# Allegro board Single PMT Data AcquisitionV_3P3.brd (continued)
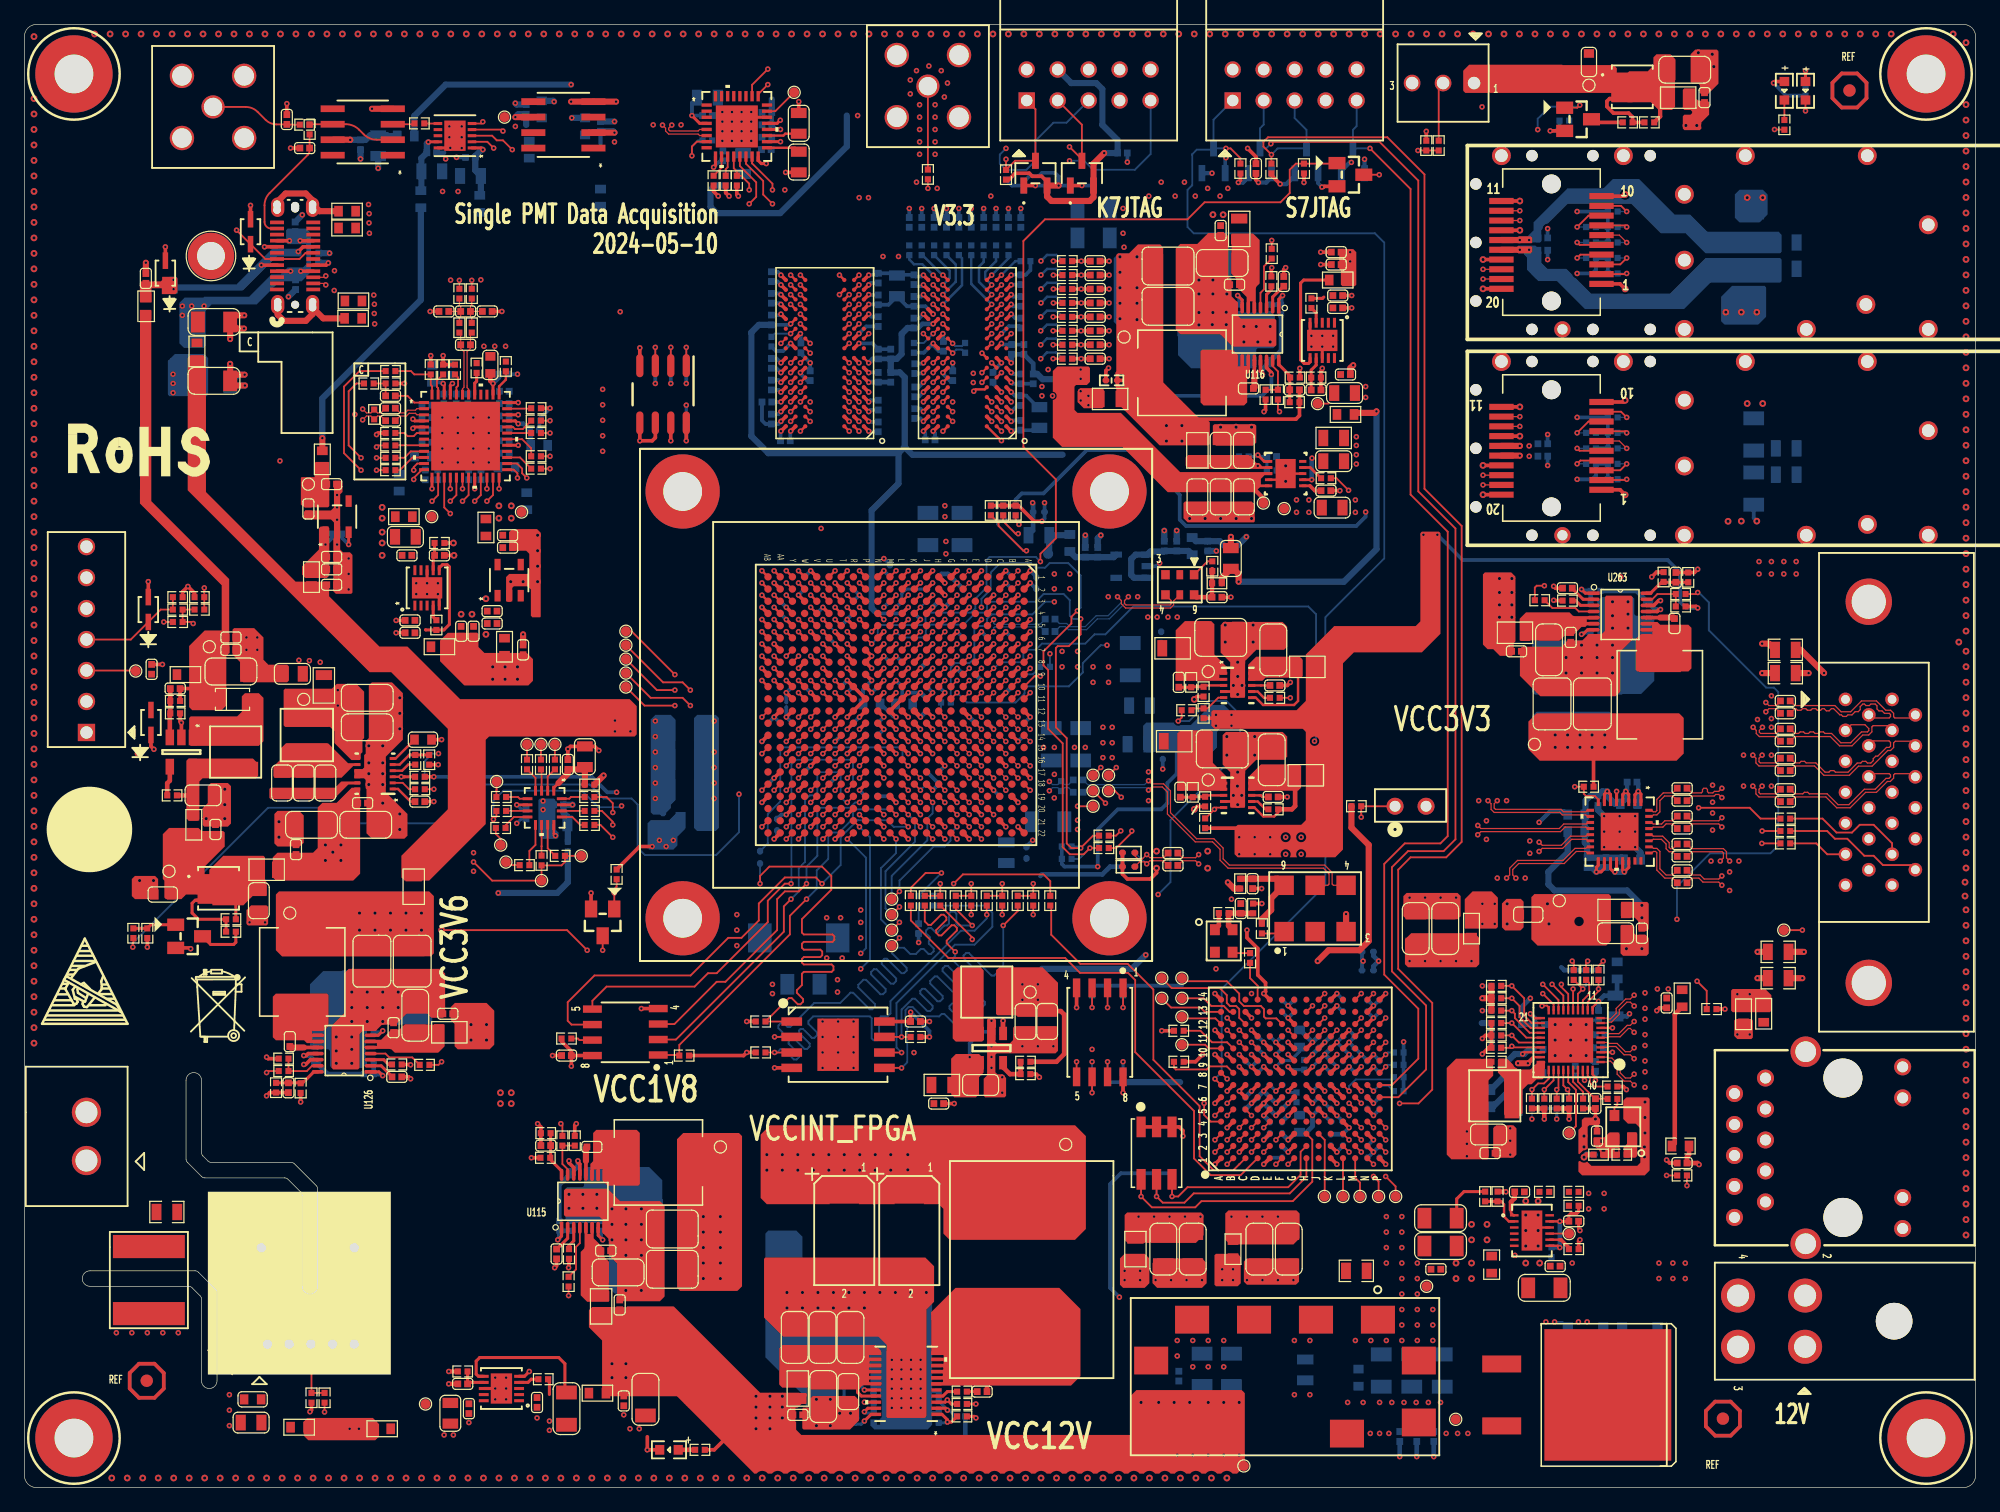
[diagram p0: board, top side]
## Nets (continued)
DDR3_A_DQS0_P: U1.Y3(IO_L21P_T3_DQS_34) U75.F3(LDQS)
DDR3_A_DQS1_N: U1.V2(IO_L15N_T2_DQS_34) U75.B7(UDQS#)
DDR3_A_DQS1_P: U1.U2(IO_L15P_T2_DQS_34) U75.C7(UDQS)
DDR3_A_DQS2_N: U1.N4(IO_L9N_T1_DQS_34) U76.G3(LDQS#)
DDR3_A_DQS2_P: U1.M5(IO_L9P_T1_DQS_34) U76.F3(LDQS)
DDR3_A_DQS3_N: U1.M1(IO_L3N_T0_DQS_34) U76.B7(UDQS#)
DDR3_A_DQS3_P: U1.M2(IO_L3P_T0_DQS_34) U76.C7(UDQS)
DDR3_A_ODT: R484.2 U1.Y6(IO_L7N_T1_33) U75.K1(ODT0) U76.K1(ODT0)
DDR3_A_RAS_B: R482.2 U1.W6(IO_L7P_T1_33) U75.J3(RAS#) U76.J3(RAS#)
DDR3_A_RESET_B: R8.1 U1.W12(IO_L19P_T3_33) U75.T2(RESET#) U76.T2(RESET#)
DDR3_A_S0_B: R479.2 U1.AA5(IO_L1P_T0_33) U75.L2(CS#) U76.L2(CS#)
DDR3_A_WE_B: R480.2 U1.U7(IO_L10P_T1_33) U75.L3(WE#) U76.L3(WE#)
DDR_POWER_GOOD: Q10.1(GATE) R220.2 R459.2 U1.N20(IO_L17P_T2_A14_D30_14)
EEPROM_CS_B: R2152.2 U1.M20(IO_L18P_T2_A12_D28_14) U273.1(C\S\)
EEPROM_SCK: U1.L21(IO_L18N_T2_A11_D27_14) U273.6(SCK)
EEPROM_SI: U1.R18(IO_L19P_T3_A10_D26_14) U273.5(SI)
EEPROM_SO: U1.R19(IO_L19N_T3_A09_D25_VREF_14) U273.2(SO)
EEPROM_WP_B: U1.P19(IO_L20P_T3_A08_D24_14) U273.3(W\P\)
FAN_FG: R1928.2 R1929.2 U1.G13(IO_L8P_T1_16)
FPGA_CCLK_R: R233.2 R507.1 R508.1 U1.G7(CCLK_0)
FPGA_CCLK_SFPGA: R507.2 U88.D1(IO_L11P_T1_SRCC_34)
FPGA_CONFIG_CSI_B: U1.K21(IO_L16P_T2_CSI_B_14) U88.F1(IO_L9N_T1_DQS_34)
FPGA_CONFIG_D0: R503.2 U88.B6(IO_0_34)
FPGA_CONFIG_D0_R: R503.1 R504.1 U1.H18(IO_L1P_T0_D00_MOSI_14)
FPGA_CONFIG_D1: R505.2 U88.D3(IO_L1P_T0_34)
FPGA_CONFIG_D1_R: R505.1 R506.1 U1.H19(IO_L1N_T0_D01_DIN_14)
FPGA_CONFIG_D2: R509.2 U88.C3(IO_L1N_T0_34)
FPGA_CONFIG_D2_R: R509.1 R510.1 U1.G18(IO_L2P_T0_D02_14)
FPGA_CONFIG_D3: R511.2 U88.A4(IO_L2P_T0_34)
FPGA_CONFIG_D3_R: R511.1 R512.1 U1.F19(IO_L2N_T0_D03_14)
FPGA_CONFIG_D4: U1.G20(IO_L4P_T0_D04_14) U88.A3(IO_L2N_T0_34)
FPGA_CONFIG_D5: U1.F20(IO_L4N_T0_D05_14) U88.B3(IO_L3P_T0_DQS_34)
FPGA_CONFIG_D6: U1.L18(IO_L5P_T0_D06_14) U88.A2(IO_L3N_T0_DQS_34)
FPGA_CONFIG_D7: U1.K19(IO_L5N_T0_D07_14) U88.B5(IO_L4P_T0_34)
FPGA_CONFIG_D8: U1.K17(IO_L6N_T0_D08_VREF_14) U88.A5(IO_L4N_T0_34)
FPGA_CONFIG_D9: U1.E21(IO_L7P_T1_D09_14) U88.B2(IO_L5P_T0_34)
FPGA_CONFIG_D10: U1.E22(IO_L7N_T1_D10_14) U88.B1(IO_L5N_T0_34)
FPGA_CONFIG_D11: U1.H22(IO_L8P_T1_D11_14) U88.C5(IO_L6P_T0_34)
FPGA_CONFIG_D12: U1.G22(IO_L8N_T1_D12_14) U88.C4(IO_L6N_T0_VREF_34)
FPGA_CONFIG_D13: U1.F21(IO_L9N_T1_DQS_D13_14) U88.E4(IO_L7P_T1_34)
FPGA_CONFIG_D14: U1.J21(IO_L10P_T1_D14_14) U88.D4(IO_L7N_T1_34)
FPGA_CONFIG_D15: U1.J22(IO_L10N_T1_D15_14) U88.F3(IO_L8P_T1_34)
FPGA_CONFIG_RDWR_B: U1.N22(IO_L15P_T2_DQS_RDWR_B_14) U88.G1(IO_L9P_T1_DQS_34)
FPGA_DAC_CLR_N: U1.B11(IO_L20P_T3_16) U268.5(C\L\R\)
FPGA_DAC_SPI_CS_N: U1.A10(IO_L23N_T3_16) U268.2(C\S\)
FPGA_DAC_SPI_DIN: U1.D11(IO_L12N_T1_MRCC_16) U268.4(DIN)
FPGA_DAC_SPI_SCLK: R2116.2 U268.3(SCLK)
FPGA_DONE_R: Q15.1(GATE) R395.2 R680.1 U1.P6(DONE_0)
FPGA_DONE_SFPGA: R680.2 U88.C1(IO_L11N_T1_SRCC_34)
FPGA_INIT_B_R: R4.2 R676.1 U1.L7(INIT_B_0)
FPGA_INIT_B_SFPGA: R676.2 U88.E2(IO_L10P_T1_34)
FPGA_M0: R337.2 R342.1 U1.H7(M0_0)
FPGA_M1: R338.2 R341.1 U1.H6(M1_0)
FPGA_M2: R339.2 R340.1 U1.J5(M2_0)
FPGA_MASTER_CLOCK_N: C941.1(CAP2) U103.5(OUT-)
FPGA_MASTER_CLOCK_P: C942.1(CAP2) U103.4(OUT+)
FPGA_PLL_CE: R2107.1 U1.E13(IO_L10P_T1_16) U267.7(CE)
FPGA_PLL_CLK_IN: R2102.1 U267.21(XIN)
FPGA_PLL_OD0: U1.E12(IO_L10N_T1_16) U267.13(OD0)
FPGA_PLL_OD1: U1.H10(IO_18_T2_16) U267.14(OD1)
FPGA_PLL_OD2: U1.E11(IO_L12P_T1_MRCC_16) U267.15(OD2)
FPGA_PLL_PR0: U1.B8(IO_L22N_T3_16) U267.25(PR0)
FPGA_PLL_PR1: U1.C9(IO_L19N_T3_VREF_16) U267.26(PR1)
FPGA_PLL_RST_N: R2106.1 U1.F10(IO_L11N_T1_SRCC_16) U267.12(R\S\T\N\)
FPGA_PROG_B_R: R42.2 R678.1 U1.M6(PROGRAM_B_0)
FPGA_PROG_B_SFPGA: R678.2 U88.D2(IO_L10N_T1_34)
FPGA_RESET: R41.1 U1.E19(IO_L17N_T2_A25_15)
FPGA_SFP1_IIC_SCL: P3.5(SCL) R516.2 U1.G8(IO_L17P_T2_16)
FPGA_SFP1_IIC_SDA: P3.4(SDA) R517.2 U1.E8(IO_24_T3_16)
FPGA_SFP1_LOS: P3.8(LOS) R14.2 U1.H9(IO_L16P_T2_16)
FPGA_SFP1_MOD_DETECT: P3.6(MOD_ABS) R13.2 U1.C8(IO_L22P_T3_16)
FPGA_SFP1_RS0: P3.7(RS0) R392.2
FPGA_SFP1_RS1: P3.9(RS1) R391.2
FPGA_SFP1_RX_N: P3.12(RD_N) U1.G3(MGTXRXN0_115)
FPGA_SFP1_RX_P: P3.13(RD_P) U1.G4(MGTXRXP0_115)
FPGA_SFP1_TX_DISABLE: P3.3(TX_DISABLE) R12.2 U1.A8(IO_L21N_T3_DQS_16)
FPGA_SFP1_TX_FAULT: P3.2(TX_FAULT) R11.2 U1.G11(IO_L13P_T2_MRCC_16)
FPGA_SFP1_TX_N: P3.19(TD_N) U1.F1(MGTXTXN0_115)
FPGA_SFP1_TX_P: P3.18(TD_P) U1.F2(MGTXTXP0_115)
FPGA_SFP1_VCCR: C23.1(CAP2) C114.1(CAP2) L6.2 P3.15(VCCR)
FPGA_SFP1_VCCT: C22.1(CAP2) C115.1(CAP2) L7.2 P3.16(VCCT)
FPGA_SFP2_IIC_SCL: P4.5(SCL) R2144.2 U1.A9(IO_L21P_T3_DQS_16)
FPGA_SFP2_IIC_SDA: P4.4(SDA) R2145.2 U1.E9(IO_L15N_T2_DQS_16)
FPGA_SFP2_LOS: P4.8(LOS) R2151.2 U1.C10(IO_L7N_T1_16)
FPGA_SFP2_MOD_DETECT: P4.6(MOD_ABS) R2148.2 U1.F13(IO_L8N_T1_16)
FPGA_SFP2_RS0: P4.7(RS0) R2149.2
FPGA_SFP2_RS1: P4.9(RS1) R2150.2
FPGA_SFP2_RX_N: P4.12(RD_N) U1.C3(MGTXRXN2_115)
FPGA_SFP2_RX_P: P4.13(RD_P) U1.C4(MGTXRXP2_115)
FPGA_SFP2_TX_DISABLE: P4.3(TX_DISABLE) R2147.2 U1.A11(IO_L23P_T3_16)
FPGA_SFP2_TX_FAULT: P4.2(TX_FAULT) R2146.2 U1.D9(IO_L19P_T3_16)
FPGA_SFP2_TX_N: P4.19(TD_N) U1.B1(MGTXTXN2_115)
FPGA_SFP2_TX_P: P4.18(TD_P) U1.B2(MGTXTXP2_115)
FPGA_SFP2_VCCR: C2490.1(CAP2) C2491.1(CAP2) L290.2 P4.15(VCCR)
FPGA_SFP2_VCCT: C2492.1(CAP2) C2493.1(CAP2) L291.2 P4.16(VCCT)
FPGA_TCK: D2.3 J1.1 R456.2 U1.K7(TCK_0)
FPGA_TDI: D5.3 J1.9 U1.K6(TDI_0)
FPGA_TDO: D3.3 J1.3 U1.J6(TDO_0)
FPGA_TIMING_LVDS_EN: R2135.2 U1.F14(IO_6_T0_VREF_16) U271.8(EN)
FPGA_TMS: D4.3 J1.5 R455.2 U1.L6(TMS_0)
FPGA_TO_SFPGA_RESERVE0: U1.Y14(IO_L22N_T3_13) U88.M3(IO_L19P_T3_34)
FPGA_TO_SFPGA_RESERVE1: U1.W14(IO_L22P_T3_13) U88.M2(IO_L19N_T3_VREF_34)
FPGA_TO_SFPGA_RESERVE2: U1.W15(IO_L23N_T3_13) U88.P2(IO_L20P_T3_34)
FPGA_TO_SFPGA_RESERVE3: U1.U15(IO_L24N_T3_13) U88.N1(IO_L20N_T3_34)
FPGA_TO_SFPGA_RESERVE4: U1.W16(IO_L21P_T3_DQS_13) U88.P4(IO_L21P_T3_DQS_34)
FPGA_TO_SFPGA_RESERVE5: U1.V15(IO_L23P_T3_13) U88.P3(IO_L21N_T3_DQS_34)
FPGA_TO_SFPGA_RESERVE6: U1.T15(IO_L24P_T3_13) U88.L3(IO_L22P_T3_34)
FPGA_TO_SFPGA_RESERVE7: U1.T16(IO_L20N_T3_13) U88.L2(IO_L22N_T3_34)
FPGA_TO_SFPGA_RESERVE8: U1.Y16(IO_L21N_T3_DQS_13) U88.M5(IO_L23P_T3_34)
FPGA_TO_SFPGA_RESERVE9: U1.R16(IO_L20P_T3_13) U88.M4(IO_L23N_T3_34)
FPGA_VCC12V_BST_EN: R2098.2 U1.F8(IO_L17N_T2_16)
HV_CTRL: R936.2 R2034.2 R2119.1 R2132.2 R2169.2 TP79.1 TP143.1
HV_CTRL_OUT: CR1.1 J2.A6(DP1) J2.B6(DP2) R2034.1 R2036.1
HV_CTRL_RSV: CR4.1 J60.4(HV CTRL) R2169.1 R2170.1
INPUT_GND: C1134.2(CAP1) C1136.1(CAP2) C1139.2(CAP1) C1140.2(CAP1) C1142.2(CAP1) C1144.2(CAP1) C1145.1(CAP2) C1146.1(CAP2) C1147.2(CAP1) C1148.1(CAP2) C1149.2(CAP1) C1150.2(CAP1) C1151.2(CAP1) C1152.1(CAP2) J18.2(GND#2) J18.4(GND#4) R1036.2 R1063.2 R2122.1 TP38.1 U111.1(BUS-1) U111.10(BUS-2) U112.10(GND) U112.13(HOTGND)
MGTAVCC: C144.1(CAP2) C426.1(CAP2) C427.1(CAP2) L100.2 U1.A6(MGTAVCC#A6) U1.C6(MGTAVCC#C6) U1.E6(MGTAVCC#E6) U1.G6(MGTAVCC#G6)
MGTAVCC_PG: R1100.2 R1115.1 U118.5(PG)
MGTAVTT: C146.1(CAP2) C430.1(CAP2) C431.1(CAP2) L102.2 R165.2 U1.A2(MGTAVTT#A2) U1.C2(MGTAVTT#C2) U1.E2(MGTAVTT#E2) U1.G2(MGTAVTT#G2) U1.H1(MGTAVTTRCAL_115)
MGTAVTT_PG: R1116.2 U1.N17(IO_L23N_T3_A02_D18_14)
MGTVCCAUX: L287.2 L289.2 TP146.1
NC_GNDADC_R: R791.1 U88.F7(NC/GNDADC_0)
NC_VREFN_R: R790.1 U88.G7(NC/VREFN_0)
NC_VREFP_R: R789.1 U88.H8(NC/VREFP_0)
PLL_OS0: R2104.2 U267.11(OS0)
PLL_OS1: R2105.1 U267.10(OS1)
PMT_CHANNEL_SELECT_1: J78.6 R2156.2 U88.H3(IO_L13N_T2_MRCC_34)
PMT_CHANNEL_SELECT_2: J78.5 R2155.2 U88.H1(IO_L14N_T2_SRCC_34)
PMT_CHANNEL_SELECT_3: J78.4 R2154.2 U88.H2(IO_L14P_T2_SRCC_34)
PMT_HV_OUT: C1337.2(CAP1) J76.1 R916.2
QSPI_CLK: R508.2 U7.6(CLK)
QSPI_CS_B: R496.2 R502.2 U7.1(C\S\)
QSPI_CS_B_R: R502.1 U1.L16(IO_L6P_T0_FCS_B_14)
QSPI_MISO0: R504.2 U7.5(DI/IO0)
QSPI_MISO1: R506.2 U7.2(DO/IO1)
QSPI_MISO2: R497.2 R510.2 U7.3(\W\P\/IO2)
QSPI_MISO3: R498.2 R512.2 U7.7(\H\O\L\D\/IO3)
RF_ENABLE: R2124.2 U1.H13(IO_L9N_T1_DQS_16)
RF_FAULT: R2125.2 U1.H14(IO_L9P_T1_DQS_16)
RF_FPS_TRIGGER_N: U1.C15(IO_L7N_T1_AD10N_15) U271.12(IN1-)
RF_FPS_TRIGGER_N_C: C2462.2(CAP1) J75.8(SERTFG-)
RF_FPS_TRIGGER_P: U1.C14(IO_L7P_T1_AD10P_15) U271.11(IN1+)
RF_FPS_TRIGGER_P_C: C2461.2(CAP1) J75.21(SERTFG+)
RF_MOD_IN_FIXED_N: U1.A16(IO_L8N_T1_AD3N_15) U271.14(IN2-)
RF_MOD_IN_FIXED_N_C: C2464.2(CAP1) J75.9(CC1-)
RF_MOD_IN_FIXED_P: U1.B16(IO_L8P_T1_AD3P_15) U271.13(IN2+)
RF_MOD_IN_FIXED_P_C: C2463.2(CAP1) J75.22(CC1+)
RF_MOD_IN_VARIABLE_N: U1.D14(IO_L6N_T0_VREF_15) U271.16(IN3-)
RF_MOD_IN_VARIABLE_N_C: C2466.2(CAP1) J75.23(CC2-)
RF_MOD_IN_VARIABLE_P: U1.E14(IO_L6P_T0_15) U271.15(IN3+)
RF_MOD_IN_VARIABLE_P_C: C2465.2(CAP1) J75.10(CC2+)
RF_SYNC_N: C2456.2(CAP1) U1.B12(IO_L2N_T0_AD8N_15)
RF_SYNC_P: C2455.2(CAP1) U1.C12(IO_L2P_T0_AD8P_15)
S_FPGA_CLK: R669.2 U88.D14(IO_L11P_T1_SRCC_14)
S_FPGA_QSPI_CLK: R670.2 U88.A8(CCLK_0)
S_FPGA_QSPI_CS_B: R658.2 U88.C11(IO_L6P_T0_FCS_B_14) U89.1(C\S\)
S_FPGA_QSPI_MISO0: U88.B11(IO_L1P_T0_D00_MOSI_14) U89.5(DI/IO0)
S_FPGA_QSPI_MISO1: U88.B12(IO_L1N_T0_D01_DIN_14) U89.2(DO/IO1)
S_FPGA_QSPI_MISO2: R659.2 U88.D10(IO_L2P_T0_D02_14) U89.3(\W\P\/IO2)
S_FPGA_QSPI_MISO3: R660.2 U88.C10(IO_L2N_T0_D03_14) U89.7(\H\O\L\D\/IO3)
S_FPGA_TCK: D9.3 J56.1 R668.2 U88.A7(TCK_0)
S_FPGA_TDI: D6.3 J56.9 U88.P7(TDI_0)
S_FPGA_TDO: D8.3 J56.3 U88.P6(TDO_0)
S_FPGA_TMS: D7.3 J56.5 R667.2 U88.M6(TMS_0)
S_XADC_AGND: C815.2(CAP1) L41.2 R789.2 R790.2 R791.2
SFP_MGT_REFCLK_C_N: C989.1(CAP2) U1.D5(MGTREFCLK0N_115)
SFP_MGT_REFCLK_C_P: C990.1(CAP2) U1.D6(MGTREFCLK0P_115)
SFP_MGT_REFCLK_N: C989.2(CAP1) U270.5(CLKN)
SFP_MGT_REFCLK_P: C990.2(CAP1) U270.4(CLKP)
SFPGA_25M_OSC_ETH: C865.1(CAP2) R858.2 U93.37(XTAL_OUT/EXT_CLK)
SFPGA_ETH_INTB: R852.2 U88.P10(IO_L24P_T3_D17_14)
SFPGA_ETH_LED0: R867.2 R875.1 U93.32(LED_0/CFG_EXT)
SFPGA_ETH_LED1: R835.1 R866.2 R874.1 U93.33(LED_1/CFG_LDO0)
SFPGA_ETH_LED2: R834.1 R865.2 R873.1 U93.34(LED_2/CFG_LDO1)
SFPGA_ETH_RESET_B: R853.2 U88.N11(IO_L23N_T3_D18_14)
SFPGA_ETH_TD_M_A: J6.3 U93.2(MDIN0)
SFPGA_ETH_TD_M_B: J6.7 U93.5(MDIN1)
SFPGA_ETH_TD_M_C: J6.6 U93.7(MDIN2)
SFPGA_ETH_TD_M_D: J6.9 U93.10(MDIN3)
SFPGA_ETH_TD_P_A: J6.2 U93.1(MDIP0)
SFPGA_ETH_TD_P_B: J6.4 U93.4(MDIP1)
SFPGA_ETH_TD_P_C: J6.5 U93.6(MDIP2)
SFPGA_ETH_TD_P_D: J6.8 U93.9(MDIP3)
SFPGA_RGMII_MDC: R854.2 U88.H13(IO_L14P_T2_SRCC_14)
SFPGA_RGMII_MDIO: R855.2 U88.N10(IO_L23P_T3_D19_14)
SFPGA_RGMII_RX_CLK: R860.2 R868.1 U88.H11(IO_L13P_T2_MRCC_14) U93.27(RX_CLK/PHYAD1)
SFPGA_RGMII_RX_CTL: R861.2 R869.1 U88.P12(IO_L22P_T3_D21_14) U93.26(RX_CTRL/PHYAD2)
SFPGA_RGMII_RXD0: R864.2 R872.1 U88.M11(IO_L20P_T3_D24_14) U93.25(RX_D0/RXDLY)
SFPGA_RGMII_RXD1: R863.2 R871.1 U88.M12(IO_L20N_T3_D23_14) U93.24(RX_D1/TXDLY)
SFPGA_RGMII_RXD2: R862.2 R870.1 U88.N14(IO_L21P_T3_DQS_14) U93.23(RX_D2/PLLOFF)
SFPGA_RGMII_RXD3: R856.1 R857.2 U88.M14(IO_L21N_T3_DQS_D22_14) U93.22(RX_D3/PHYAD0)
SFPGA_RGMII_TX_CLK: U88.G11(IO_L12P_T1_MRCC_14) U93.20(GTX_CLK)
SFPGA_RGMII_TX_CTL: U88.K11(IO_L19P_T3_D26_14) U93.19(TX_CTRL)
SFPGA_RGMII_TXD0: U88.J11(IO_L17P_T2_D30_14) U93.18(TD_D0)
SFPGA_RGMII_TXD1: U88.J12(IO_L17N_T2_D29_14) U93.17(TD_D1)
SFPGA_RGMII_TXD2: U88.J13(IO_L18P_T2_D28_14) U93.16(TD_D2)
SFPGA_RGMII_TXD3: U88.J14(IO_L18N_T2_D27_14) U93.15(TD_D3)
SYS_CLK_CON_N: C939.1(CAP2) J75.5(XCLK-)
SYS_CLK_CON_P: C940.1(CAP2) J75.18(XCLK+)
TIMING_SPI_CLK_N: U1.A14(IO_L4N_T0_AD9N_15) U271.10(IN0-)
TIMING_SPI_CLK_N_C: C2460.2(CAP1) J75.20(SERTC-)
TIMING_SPI_CLK_P: U1.A13(IO_L4P_T0_AD9P_15) U271.9(IN0+)
TIMING_SPI_CLK_P_C: C2459.2(CAP1) J75.7(SERTC+)
TIMING_SPI_CSN_N: C2454.2(CAP1) U1.F16(IO_L3N_T0_DQS_AD1N_15)
TIMING_SPI_CSN_P: C2453.2(CAP1) U1.F15(IO_L3P_T0_DQS_AD1P_15)
TIMING_SPI_MISO_N: C2458.2(CAP1) U1.B13(IO_L5N_T0_AD2N_15)
TIMING_SPI_MISO_P: C2457.2(CAP1) U1.C13(IO_L5P_T0_AD2P_15)
TIMING_SPI_MOSI_N: C2452.2(CAP1) U1.G16(IO_L1N_T0_AD0N_15)
TIMING_SPI_MOSI_P: C2451.2(CAP1) U1.G15(IO_L1P_T0_AD0P_15)
TIMING_SYNC_REFCLK_N: C939.2(CAP1) R2158.2 R2160.1 U1.E18(IO_L13N_T2_MRCC_15)
TIMING_SYNC_REFCLK_P: C940.2(CAP1) R2157.2 R2159.1 U1.E17(IO_L13P_T2_MRCC_15)
TMP75_ALERT: R501.2 U1.P21(IO_L22P_T3_A05_D21_14) U79.3(ALERT)
TMP75_IIC_SCL: R500.2 U1.P17(IO_L21N_T3_DQS_A06_D22_14) U79.2(SCL)
TMP75_IIC_SDA: R499.2 U1.R17(IO_L21P_T3_DQS_14) U79.1(SDA)
USER_SMA_CLOCK: R993.2 U1.L19(IO_L12P_T1_MRCC_14)
VCOM: C905.1(CAP2) U102.46(VCM)
VREF: C906.2(CAP1) C908.1(CAP2) U102.38(VREF)
VREG: C1158.1(CAP2) R1041.1 R1050.1 U113.18(VREG)
VRN_33: R2140.2 U1.T6(IO_0_VRN_33)
VRN_34: R2142.2 U1.K4(IO_0_VRN_34)
VRP_33: R2141.1 U1.T14(IO_25_VRP_33)
VRP_34: R2143.1 U1.V5(IO_25_VRP_34)
VTTDDR: C13.1(CAP2) C14.1(CAP2) C15.1(CAP2) C342.1(CAP2) C343.1(CAP2) C344.1(CAP2) C521.1(CAP2) C522.1(CAP2) C523.1(CAP2) C524.1(CAP2) C525.1(CAP2) C526.1(CAP2) C527.1(CAP2) C546.1(CAP2) C547.1(CAP2) C548.1(CAP2) C549.1(CAP2) C550.1(CAP2) C551.1(CAP2) C552.1(CAP2) C553.1(CAP2) C554.1(CAP2) C555.1(CAP2) R460.1 R461.1 R462.1 R463.1 R464.1 R465.1 R466.1 R467.1 R468.1 R469.1 R470.1 R471.1 R472.1 R473.1 R474.1 R475.1 R476.1 R477.1 R478.1 R479.1 R480.1 R481.1 R482.1 R483.1 R484.1 TP48.1 U23.3(VO) U23.5(VOSNS)
VTTVREF: C97.1(CAP2) C187.2(CAP1) C462.1(CAP2) C463.1(CAP2) C491.1(CAP2) C492.1(CAP2) C506.1(CAP2) C507.1(CAP2) C520.1(CAP2) C544.2(CAP1) C545.1(CAP2) C563.1(CAP2) C573.1(CAP2) C640.1(CAP2) TP49.1 U1.L4(IO_L6N_T0_VREF_34) U1.Y4(IO_L19N_T3_VREF_34) U1.Y11(IO_L6N_T0_VREF_33) U1.Y12(IO_L19N_T3_VREF_33) U23.6(REFOUT) U75.H1(VREFDQ) U75.M8(VREFCA) U76.H1(VREFDQ) U76.M8(VREFCA)
XADC_AGND: C2.2(CAP1) L3.2 U1.K11(GNDADC_0) U1.L11(VREFN_0) U1.M12(VREFP_0)
XADC_VCC: C2.1(CAP2) L5.1 U1.K12(VCCADC_0)
$7N578: C217.1(CAP2) R233.1
$7N830: Q15.3(DRAIN) R396.1
$7N832: DS10.2 R396.2
$45N24: C271.1(CAP2) R219.1 R221.2 U23.1(REFIN)
$45N300: DS18.2 Q10.3(DRAIN)
$45N301: DS18.1 R87.2
N290800: J31.1(SIG) R993.1
N319534: R458.1 U75.L8(ZQ)
N335210: R490.1 U76.L8(ZQ)
N929679: R670.1 U89.6(CLK)
N932083: R669.1 U90.3(OUT)
N932121: C800.1(CAP2) L55.1 R986.2 U90.4(VCC)
N932133: R986.1 U90.1(OE)
N932396: R665.1 U88.G8(NC/VP_0)
N932403: R666.1 U88.H7(NC/VN_0)
N1107900: C815.1(CAP2) L40.1 U88.F8(NC/VCCADC_0)
N1108562: R784.2 U88.P8(INIT_B_0)
N1108569: R785.2 U88.L7(PROGRAM_B_0)
N1108576: R786.1 U88.N7(CFGBVS_0)
N1108697: R787.2 U88.P9(DONE_0)
N1108945: R788.1 U88.B8(NC/VCCBATT_0)
N1143708: R858.1 U94.3(OUT)
N1143734: C839.1(CAP2) L45.1 R848.2 U94.4(VCC)
N1143746: R848.1 U94.1(OE)
N1146233: C838.2(CAP1) J6.1 R833.1
N1263443: C2011.1(CAP2) C2960.2(CAP1) L163.1 R965.2
N1263535: C2011.2(CAP1) C2961.2(CAP1) L164.1 R966.2
N16645850: R2122.2 R2123.2 U111.2(SHIELD1) U111.3(SHIELD2)
N16650422: Q1.D R2130.2 U112.5(SNS)
N16650464: C1146.2(CAP1) R1038.2 R1039.2 U112.7(SHDN) U112.11(AOUT)
N16650476: R1036.1 R1037.2 R1039.1 U112.12(IN+)
N16650588: R1033.2 U112.8(FLT)
N16650604: R1062.2 U112.4(GATE)
N16650648: Q1.G R1062.1
N16650778: C1151.1(CAP2) U112.1(TMR)
N16650844: R1040.2 R1063.1 U112.2(FB)
N16650852: TP40.1 U112.9(EN)
N16651124: R1034.2 R2130.1
N16671344: C1153.1(CAP2) C1154.1(CAP2) C1155.1(CAP2) C1156.1(CAP2) C1157.1(CAP2) L89.2 U113.12(VIN) U113.13(VIN_1) U113.14(VIN_2) U113.15(VIN_3) U113.16(VIN_4) U113.17(VIN_5) U113.19(VDD)
N16672317: R1044.2 U113.20(MODE)
N16672324: R1043.2 U113.21(TRIP)
N16672331: R1042.2 R1050.2 U113.22(RF)
N16672704: C1159.1(CAP2) L85.2 U113.6(LL) U113.7(LL_1) U113.8(LL_2) U113.9(LL_3) U113.10(LL_4) U113.11(LL_5)
N16673248: R1046.2 R1047.1 U113.1(VFB)
N16673267: R1049.1 U113.4(VBST)
N16673329: C1159.2(CAP1) R1049.2
N16673629: R1045.2 R1048.1 U113.2(EN)
N16716267: C1188.2(CAP1) C1197.1(CAP2) L93.2 U116.5(VIN1) U116.6(VIN2)
N16716359: R1067.2 U116.4(EN/UV)
N16716559: C1189.1(CAP2) R1071.2 U116.13(INTVCC)
N16716571: C1190.1(CAP2) U116.2(TR/SS)
N16716663: R1070.2 R1071.1 U116.1(SYNC)
N16716703: C1191.1(CAP2) L94.1 U116.9(SW1) U116.10(SW2) U116.11(SW3)
N16716707: C1191.2(CAP1) U116.12(BST)
N16716803: C1192.1(CAP2) R1072.1 R1073.1 U116.16(FB)
N16717075: R1068.1 U116.3(RT)
N16718397: R1074.2 R1075.2 U116.15(PG)
N16720636: C340.1(CAP2) C341.1(CAP2) L95.2 R221.1 U23.2(VLDOIN)
N16720676: C224.1(CAP2) L96.1 U23.7(EN) U23.10(VIN)
N16721374: R459.1 U23.9(PGOOD)
N17066271: R657.1 U88.B10(IO_L3P_T0_DQS_PUDC_B_14)
N17765267: R1069.2 U116.7(NC)
N21090058: C930.2(CAP1) L54.1 R984.2 U103.6(VDD)
N21090105: R984.1 U103.1(VC/OE/S\T\)
N21330124: J61.2(P2) R1929.1
N21585791: C2087.1(CAP2) U236.6(CAP)
N21585799: C2088.2(CAP1) U236.1(VAUX)
N21585846: C2089.1(CAP2) C2090.1(CAP2) C2091.1(CAP2) U236.11(CP)
N21585860: C2089.2(CAP1) C2090.2(CAP1) C2091.2(CAP1) L228.1 U236.8(SW)
N21585885: C2092.1(CAP2) C2093.1(CAP2) C2094.1(CAP2) L228.2 L263.1 TP83.1 U236.7(VOUT)
N21585988: R1882.2 R1883.1 U236.5(FB)
N21585992: R1882.1 U236.4(VREF)
N21586050: R1884.2 U236.2(EN)
N21586103: R1885.2 R1886.2 U236.3(PG)
N21623241: R971.1 U102.37(SENSE)
N21623247: R981.1 U102.47(RBIAS)
N21623273: R972.1 U102.27(OR-)
N21623348: R980.2 U102.41(LVDS_RS)
N21623350: R968.2 U102.44(LVDS)
N21623352: R967.2 U102.35(DITHER)
N21623393: C909.1(CAP2) R974.1 R1932.2
N21623397: R976.2 U102.6(OEB)
N21623415: R977.2 U102.31(SCLK/DFS)
N21623482: R973.1 R975.1 U102.48(PDWN)
N21623490: R979.2 U102.32(CSB)
N21623500: R978.2 U102.30(SDIO/DCS)
N21623510: C911.2(CAP1) U102.3(CLK-)
N21623544: C924.2(CAP1) C925.2(CAP1) C926.2(CAP1) C927.2(CAP1) C928.2(CAP1) C929.2(CAP1) C944.1(CAP2) L51.2 U102.13(DRVDD_0) U102.20(DRVDD_1) U102.29(DRVDD_2)
N21623546: C907.2(CAP1) L52.2 U102.33(SVDD)
N21623558: C910.2(CAP1) U102.2(CLK+)
N21623659: R970.1 U102.8(DCO+)
N21623683: R2077.1 U102.10(D0/1+)
N21623693: C909.2(CAP1) U102.1(SYNC)
N21623731: C912.2(CAP1) C913.2(CAP1) C914.2(CAP1) C915.2(CAP1) C916.2(CAP1) C917.2(CAP1) C918.2(CAP1) C919.2(CAP1) C920.2(CAP1) C921.2(CAP1) C922.2(CAP1) C923.2(CAP1) C943.1(CAP2) L50.2 U102.4(AVDD_0) U102.5(AVDD_1) U102.34(AVDD_2) U102.36(AVDD_3) U102.45(AVDD_4)
N21623776: R2076.1 U102.9(D0 (LSB)/1-)
N21721339: D1.1 L239.2 U261.1(SW)
N21721383: R2037.2 U261.4(EN)
N21721913: C2380.1(CAP2) L237.2 L239.1 R2037.1 U261.5(VIN)
N21722653: C2384.1(CAP2) R2038.1 R2039.1 U261.3(FB)
N21859607: J6.10 L242.2
N21904635: J6.14 R835.2
N21904672: J6.11 R834.2
N21904866: TP92.1 U88.A10(IO_L3N_T0_DQS_EMCCLK_14)
N21904868: TP93.1 U88.A12(IO_L4P_T0_D04_14)
N21904877: TP94.1 U88.A13(IO_L4N_T0_D05_14)
N21904886: TP95.1 U88.B13(IO_L5P_T0_D06_14)
N21904895: TP96.1 U88.C12(IO_L6N_T0_D08_VREF_14)
N21904904: TP97.1 U88.F12(IO_L7P_T1_D09_14)
N21904956: TP90.1 U88.M1(IO_L18P_T2_34)
N21904965: TP91.1 U88.J3(IO_L17N_T2_34)
N21904974: TP98.1 U88.L1(IO_L18N_T2_34)
N21905005: TP100.1 U88.L5(IO_25_34)
N21905014: TP101.1 U88.N4(IO_L24N_T3_34)
N21907439: C846.1(CAP2) C847.1(CAP2) L245.2 U93.28(DVDDRG)
N21907473: R851.2 R853.1 U93.12(PHYRSTB)
N21907487: C859.1(CAP2) C864.1(CAP2) L246.1 R2046.1 R2047.2 R2048.2
N21907526: C855.1(CAP2) R2048.1 U93.21(DVDD10)
N21907530: C852.1(CAP2) C853.1(CAP2) C854.1(CAP2) R2047.1 U93.3(AVDD10#3) U93.8(AVDD10#8) U93.38(AVDD10#38)
N21907545: C841.1(CAP2) C842.1(CAP2) C851.1(CAP2) L243.2 U93.11(AVDD33#11) U93.40(AVDD33#40)
N21907745: L246.2 R2046.2 U93.30(REG_OUT)
N21908077: R844.2 U93.36(XTAL_IN)
N21908106: C849.1(CAP2) C850.1(CAP2) L244.2 U93.29(DVDD33)
N21908108: R850.2 R852.1 U93.31(INTB/PMEB)
N21908185: TP20.1 U93.35(CLK_OUT)
N21908350: R849.2 R855.1 U93.14(MDIO)
N21908430: R854.1 U93.13(MDC)
N21908573: R845.1 U93.39(RSET)
N21912553: DS24.1 R2050.2
N22191137: R946.1 U98.7(SDO)
N22191139: C885.1(CAP2) U98.6(VREF)
N22191143: R944.1 U98.14(SCLK)
N22191145: R945.1 U98.13(SDI)
N22191147: C881.1(CAP2) C882.1(CAP2) L47.2 U98.1(VDD)
N22191209: R934.2 U98.5(I/O3)
N22191211: R933.2 U98.3(I/O1)
N22191234: R937.1 U98.9(I/O5)
N22191242: R937.2 TP80.1
N22191246: R936.1 U98.10(I/O6)
N22191375: C883.1(CAP2) C884.1(CAP2) L48.2 U98.15(VLOGIC)
N22191519: R943.1 U98.16(/SYNC)
N22193584: R2167.1 R2168.1 U269.2(-IN) U269.6(OUT)
N22223356: C1328.1(CAP2) C1329.2(CAP1) L130.1 TP137.1 U132.5(VOUT)
N22223461: C1324.1(CAP2) C1327.2(CAP1) L129.2 R1185.2 U132.1(VDD)
N22223507: R1185.1 U132.3(CE)
N22237358: Q21.1(GATE) R1196.1 R1197.1
N22237360: Q20.4(G) R1198.2 R2129.1
N22237436: C1349.1(CAP2) L134.2 Q20.5(S1) R1198.1
N22238566: C1296.1(CAP2) C2476.2(CAP1) L125.2 R2138.2 U129.1(IN) U129.2(IN_2) U129.3(EN/UV) U129.6(PGFB)
N22238635: C1303.2(CAP1) C1304.1(CAP2) L285.1 U130.5(VOUT)
N22238732: C1302.1(CAP2) C2478.2(CAP1) L126.2 U130.1(VDD) U130.3(CE)
N22244746: C1273.2(CAP1) C1274.1(CAP2) L117.2 U126.5(VIN1) U126.6(VIN2)
N22244788: R1140.2 U126.4(EN/UV)
N22244889: C1272.1(CAP2) U126.2(TR/SS)
N22244891: C1271.1(CAP2) R1142.2 U126.13(INTVCC)
N22244939: R1142.1 R1143.2 U126.1(SYNC)
N22244969: C1275.1(CAP2) L116.1 U126.9(SW1) U126.10(SW2) U126.11(SW3)
N22244971: R1145.2 U126.7(NC)
N22244973: C1275.2(CAP1) U126.12(BST)
N22244981: C1267.1(CAP2) C1268.1(CAP2) C1269.1(CAP2) C1270.1(CAP2) C1276.2(CAP1) L116.2 L118.1 R1146.2 TP61.1 U126.14(BIAS)
N22245015: C1276.1(CAP2) R1146.1 R1147.1 U126.16(FB)
N22245055: R1139.2 R1141.2 U126.15(PG)
N22245161: R1144.1 U126.3(RT)
N22251628: C1177.2(CAP1) C1178.1(CAP2) L90.2 U115.5(VIN1) U115.6(VIN2)
N22251669: R1059.2 U115.4(EN/UV)
N22251767: C1175.1(CAP2) R1061.2 U115.13(INTVCC)
N22251781: C1176.1(CAP2) U115.2(TR/SS)
N22251829: R1061.1 R1064.2 U115.1(SYNC)
N22251845: C1179.1(CAP2) L86.1 U115.9(SW1) U115.10(SW2) U115.11(SW3)
N22251853: C1179.2(CAP1) U115.12(BST)
N22251889: R1066.2 U115.7(NC)
N22251891: C1180.1(CAP2) R1057.1 R1089.1 U115.16(FB)
N22252042: R1065.1 U115.3(RT)
N22252096: R1058.2 R1060.2 U115.15(PG)
N22256821: C1204.2(CAP1) C1205.1(CAP2) L98.2 U263.5(VIN1) U263.6(VIN2)
N22256857: R1077.2 U263.4(EN/UV)
N22256931: C1202.1(CAP2) R1079.2 U263.13(INTVCC)
N22256969: C1203.1(CAP2) U263.2(TR/SS)
N22257017: R1079.1 R1080.2 U263.1(SYNC)
N22257033: C1206.1(CAP2) L97.1 U263.9(SW1) U263.10(SW2) U263.11(SW3)
N22257041: C1206.2(CAP1) U263.12(BST)
N22257065: R1084.2 U263.7(NC)
N22257067: C1207.1(CAP2) R1085.1 R1086.1 U263.16(FB)
N22257227: R1083.1 U263.3(RT)
N22257272: R1076.2 R1078.2 U263.15(PG)
N22390089: C1215.1(CAP2) L99.2 R1101.1 U118.6(SS_CTRL) U118.9(IN) U118.10(IN_1)
N22390861: C1208.2(CAP1) U118.8(NR_SS)
N22391236: C1216.1(CAP2) R1091.1 R1098.1 U118.3(FB)
N22391841: C1216.2(CAP1) C1232.1(CAP2) L100.1 R1098.2 TP47.1 U118.1(OUT) U118.2(OUT_1)
N22401669: C1233.1(CAP2) C1234.2(CAP1) L102.1 R1113.2 TP52.1 U119.1(OUT) U119.2(OUT_1)
N22401678: C1234.1(CAP2) R1113.1 R1114.1 U119.3(FB)
N22401694: R1112.2 R1116.1 U119.5(PG)
N22401706: C1230.1(CAP2) L101.2 U119.6(SS_CTRL) U119.9(IN) U119.10(IN_1)
N22401776: C1231.2(CAP1) U119.8(NR_SS)
N22408855: R1101.2 U118.7(EN)
N22415812: R1115.2 U119.7(EN)
N22509269: C1257.1(CAP2) L111.2 R1138.1 U124.4(VIN)
N22509340: L112.1 U124.3(SW)
N22509356: R1129.2 R1130.1 U124.5(FB)
N22509441: R1138.2 U124.1(EN)
N22519847: C2453.1(CAP2) J75.16(X1+)
N22519853: C2454.1(CAP2) J75.3(X1-)
N22519875: C2455.1(CAP2) J75.17(X2+)
N22519885: C2456.1(CAP2) J75.4(X2-)
N22519963: C2451.1(CAP2) J75.15(X0+)
N22519965: C2452.1(CAP2) J75.2(X0-)
N22520015: C2457.1(CAP2) J75.19(X3+)
N22520025: C2458.1(CAP2) J75.6(X3-)
N22520500: J75.11(CC3-) R2125.1
N22520516: J75.25(CC4-) R2126.1
N22520561: J75.13(INNER SHIELD3) R2084.1
N22520570: J75.26(INNER SHIELD4) R2085.1
N22520917: J75.14(INNER SHIELD2) R2087.1
N22520923: J75.1(INNER SHIELD1) R2086.1
N22521027: J75.12(CC4+) TP138.1
N22521418: C868.2(CAP1) C2414.1(CAP2) L266.2 U95.1(VCC5V)
N22521422: R1918.2 R1919.2 U95.3(VCONT2)
N22521569: R916.1 U95.7(HV_OUT2)
N22674208: C2415.2(CAP1) C2416.1(CAP2) L268.2 U264.2(VIN)
N22674912: C2417.1(CAP2) C2418.2(CAP1) L269.1 TP139.1 U264.6(VOUT)
N22711871: C2428.2(CAP1) C2429.2(CAP1) C2430.2(CAP1) C2440.1(CAP2) L278.2 U267.9(VCC_VCO) U267.16(VCC_PLL2) U267.18(VCC_PLL1)
N22738550: Q22.4(G) R2097.2 R2128.1
N22738596: C2434.1(CAP2) L273.2 Q22.5(S1) R2097.1
N22738661: Q23.1(GATE) R2098.1 R2099.1
N22776081: C2438.1(CAP2) U267.19(REG_CAP1)
N22776086: C2439.1(CAP2) U267.17(REG_CAP2)
N22789402: TP141.1 U267.23(OSC_OUT)
N22808887: C2442.1(CAP2) C2443.1(CAP2) L280.2 U268.9(VDD)
N22809050: C2448.1(CAP2) C2449.1(CAP2) L281.2 U268.1(REF)
N22809950: R2118.1 U268.6(VOUT)
N22812518: C2446.1(CAP2) C2447.1(CAP2) L279.1 U269.7(V+)
N22823675: R2118.2 U269.3(+IN)
N22860235: R1918.1 R2119.2
N22945120: Q23.3(DRAIN) R2128.2
N22945514: Q21.3(DRAIN) R2129.2
N22948810: J75.24(CC3+) R2124.1
N22959826: R2131.2 U98.2(I/O0)
N22959858: R2133.2 U98.4(I/O2)
N22960011: R2134.1 U98.8(I/O4)
N22960013: R2134.2 TP145.1
N22960096: R2132.1 U98.11(I/O7)
N22968010: C2467.1(CAP2) C2468.1(CAP2) C2469.2(CAP1) C2470.2(CAP1) C2471.1(CAP2) C2472.2(CAP1) C2473.2(CAP1) L283.2 U271.3(VDD) U271.4(VDD_2) U271.6(VDD_3) U271.7(VDD_4) U271.19(VDD_5) U271.20(VDD_6) U271.21(VDD_7) U271.22(VDD_8)
N22968119: C2459.1(CAP2) U271.32(OUT0+)
N22968121: C2460.1(CAP2) U271.31(OUT0-)
N22968123: C2461.1(CAP2) U271.30(OUT1+)
N22968125: C2462.1(CAP2) U271.29(OUT1-)
N22968127: C2463.1(CAP2) U271.28(OUT2+)
N22968129: C2464.1(CAP2) U271.27(OUT2-)
N22968131: C2465.1(CAP2) U271.26(OUT3+)
N22968133: C2466.1(CAP2) U271.25(OUT3-)
N22971145: R2131.1 TP142.1
N22971151: R2133.1 TP144.1
N22971182: R933.1 TP30.1
N22971218: R934.1 TP77.1
N23031480: C1300.1(CAP2) C1301.2(CAP1) L284.1 TP64.1 U129.9(OUTS) U129.10(OUT)
N23032570: C2477.1(CAP2) R2137.1 U129.7(SET)
N23032940: R2138.1 U129.4(PG)
N23034655: C1280.1(CAP2) C2474.2(CAP1) L122.2 R1150.2 U127.1(IN) U127.2(IN_2) U127.3(EN/UV) U127.6(PGFB)
N23034774: R1150.1 U127.4(PG)
N23036008: C1281.1(CAP2) C1282.2(CAP1) L132.1 TP62.1 U127.9(OUTS) U127.10(OUT)
N23036060: C2441.1(CAP2) R2136.1 U127.7(SET)
N23037879: C1339.1(CAP2) C2480.2(CAP1) L131.2 R2083.2 U133.1(IN) U133.2(IN_2) U133.3(EN/UV) U133.6(PGFB)
N23037995: R2083.1 U133.4(PG)
N23038035: C1341.1(CAP2) C2481.2(CAP1) L286.1 TP68.1 U133.9(OUTS) U133.10(OUT)
N23038085: C1340.1(CAP2) R2139.1 U133.7(SET)
N23136071: R276.1 U1.K18(IO_L3P_T0_DQS_PUDC_B_14)
N23136114: TP112.1 U1.J19(IO_L3N_T0_DQS_EMCCLK_14)
N23136470: TP113.1 U1.G21(IO_L9P_T1_DQS_14)
N23136579: TP15.1 U1.M22(IO_L15N_T2_DQS_DOUT_CSO_B_14)
N23142000: R165.1 U1.H2(MGTRREF_115)
N23143795: TP116.1 U1.AB12(IO_L22N_T3_33)
N23143798: TP133.1 U1.V13(IO_L23P_T3_33)
N23143801: TP134.1 U1.V12(IO_L23N_T3_33)
N23143804: TP135.1 U1.T13(IO_L24P_T3_33)
N23143807: TP136.1 U1.U13(IO_L24N_T3_33)
N23169150: C2488.1(CAP2) C2489.2(CAP1) L289.1 U272.5(VOUT)
N23169182: C2486.1(CAP2) C2487.2(CAP1) L288.2 U272.1(VDD) U272.3(CE)
N23169457: C2482.1(CAP2) C2483.1(CAP2) L287.1 U1.J4(MGTVCCAUX)
N23170636: C2450.2(CAP1) L282.1 R2121.2 U270.6(VDD)
N23170831: R2121.1 U270.1(OE)
N23185444: TP114.1 U1.L20(IO_L12N_T1_MRCC_14)
N23196826: R2153.2 U273.7(H\O\L\D\)
N23259637: TP102.1 U1.B17(IO_L10P_T1_AD4P_15)
N23259653: TP103.1 U1.A18(IO_L10N_T1_AD4N_15)
N23259699: C942.2(CAP1) R2127.1 U1.C17(IO_L12P_T1_MRCC_AD5P_15)
N23259707: C941.2(CAP1) R2127.2 U1.C18(IO_L12N_T1_MRCC_AD5N_15)
N23265948: TP104.1 U1.E16(IO_L14P_T2_SRCC_15)
N23265950: TP105.1 U1.D17(IO_L14N_T2_SRCC_15)
N23265952: TP106.1 U1.H17(IO_L15P_T2_DQS_15)
N23290431: R2116.1 U1.B10(IO_L20N_T3_16)
N23290813: R2102.2 U1.H12(IO_L14P_T2_SRCC_16)
N23372269: C2499.2(CAP1) C2500.2(CAP1) C2962.1(CAP2) J2.A4(VBUS) J2.A9(VBUS_2) J2.B4(VBUS_3) J2.B9(VBUS_4) L292.1 L297.1
N23372271: J2.A1(GND) J2.B12(GND_4) L296.2
N23372301: J2.A12(GND_2) J2.B1(GND_3) L293.2
N23378896: C2501.2(CAP1) J71.1(SIG) R2167.2
N23394365: J2.25(SGND1) J2.27(SGND3) J2.S_2_H1(SGND5) J2.S_2_H2(SGND6) J2.S_4_H1(SGND9) J2.S_4_H2(SGND10) L294.2
N23407808: J2.26(SGND2) J2.28(SGND4) J2.S_3_H1(SGND7) J2.S_3_H2(SGND8) J2.S_5_H1(SGND11) J2.S_5_H2(SGND12) L295.2
N23432508: C2965.2(CAP1) J2.A11(SSRXP2) R2168.2
N23434143: J60.3(VREF OUT) TP87.1

Pads without a net: J1 6 7 8; J2 A2 A3 A7 A10 B2 B3 B7; J56 6 7 8; J60 6 7; J76 2; MH2 1; MH3 1; MH4 1; MH5 1; REF 1; REF#2 1; REF#3 1; REF#4 1; REF#5 1; REF#6 1; U1 A3 A4 A15 A19 A20 A21 AA11 AA13 AA14 AA15 AA16 AA19 AA20 AA21 AB11 AB13 AB16 AB17 AB20 AB22 B5 B6 B15 B18 B20 B21 B22 C19 C20 C22 D1 D2 D12 D15 D16 D19 D21 D22 E3 E4 F5 F6 F18 G12 G17 H15 H20 J16 J17 J20 K16 K22 M16 M17 M18 M21 N18 N19 P20 P22 R1 T8 T9 T19 U12 U16 V7 V9 V14 V17 V22 W4 W7 W9 W19 Y9 Y13 Y17; U75 J1 J9 L1 L9; U76 J1 J9 L1 L9; U88 B14 C14 D12 D13 E11 E12 E13 F2 F4 F11 F13 F14 G4 G14 H4 H12 H14 J1 J2 J4 K3 K4 K12 L12 L13 L14 M10 M13 P5 P11 P13; U95 4; U102 7 28 39 40; U103 2; U113 5; U130 4; U132 4; U134 1 2 3 4; U264 1 3 5 7 8; U267 1 2 3 8 24 27 28 29 30 31 32; U268 7 8; U269 1 5 8; U270 2; U271 23 24; U272 4

## Via types
v1: diameter 0.457, hole 0.203, TOP to BOTTOM, 1846 vias
v2: diameter 0.559, hole 0.254, TOP to BOTTOM, 690 vias
